# Allegro board HB1A-AAFM.brd (continued)
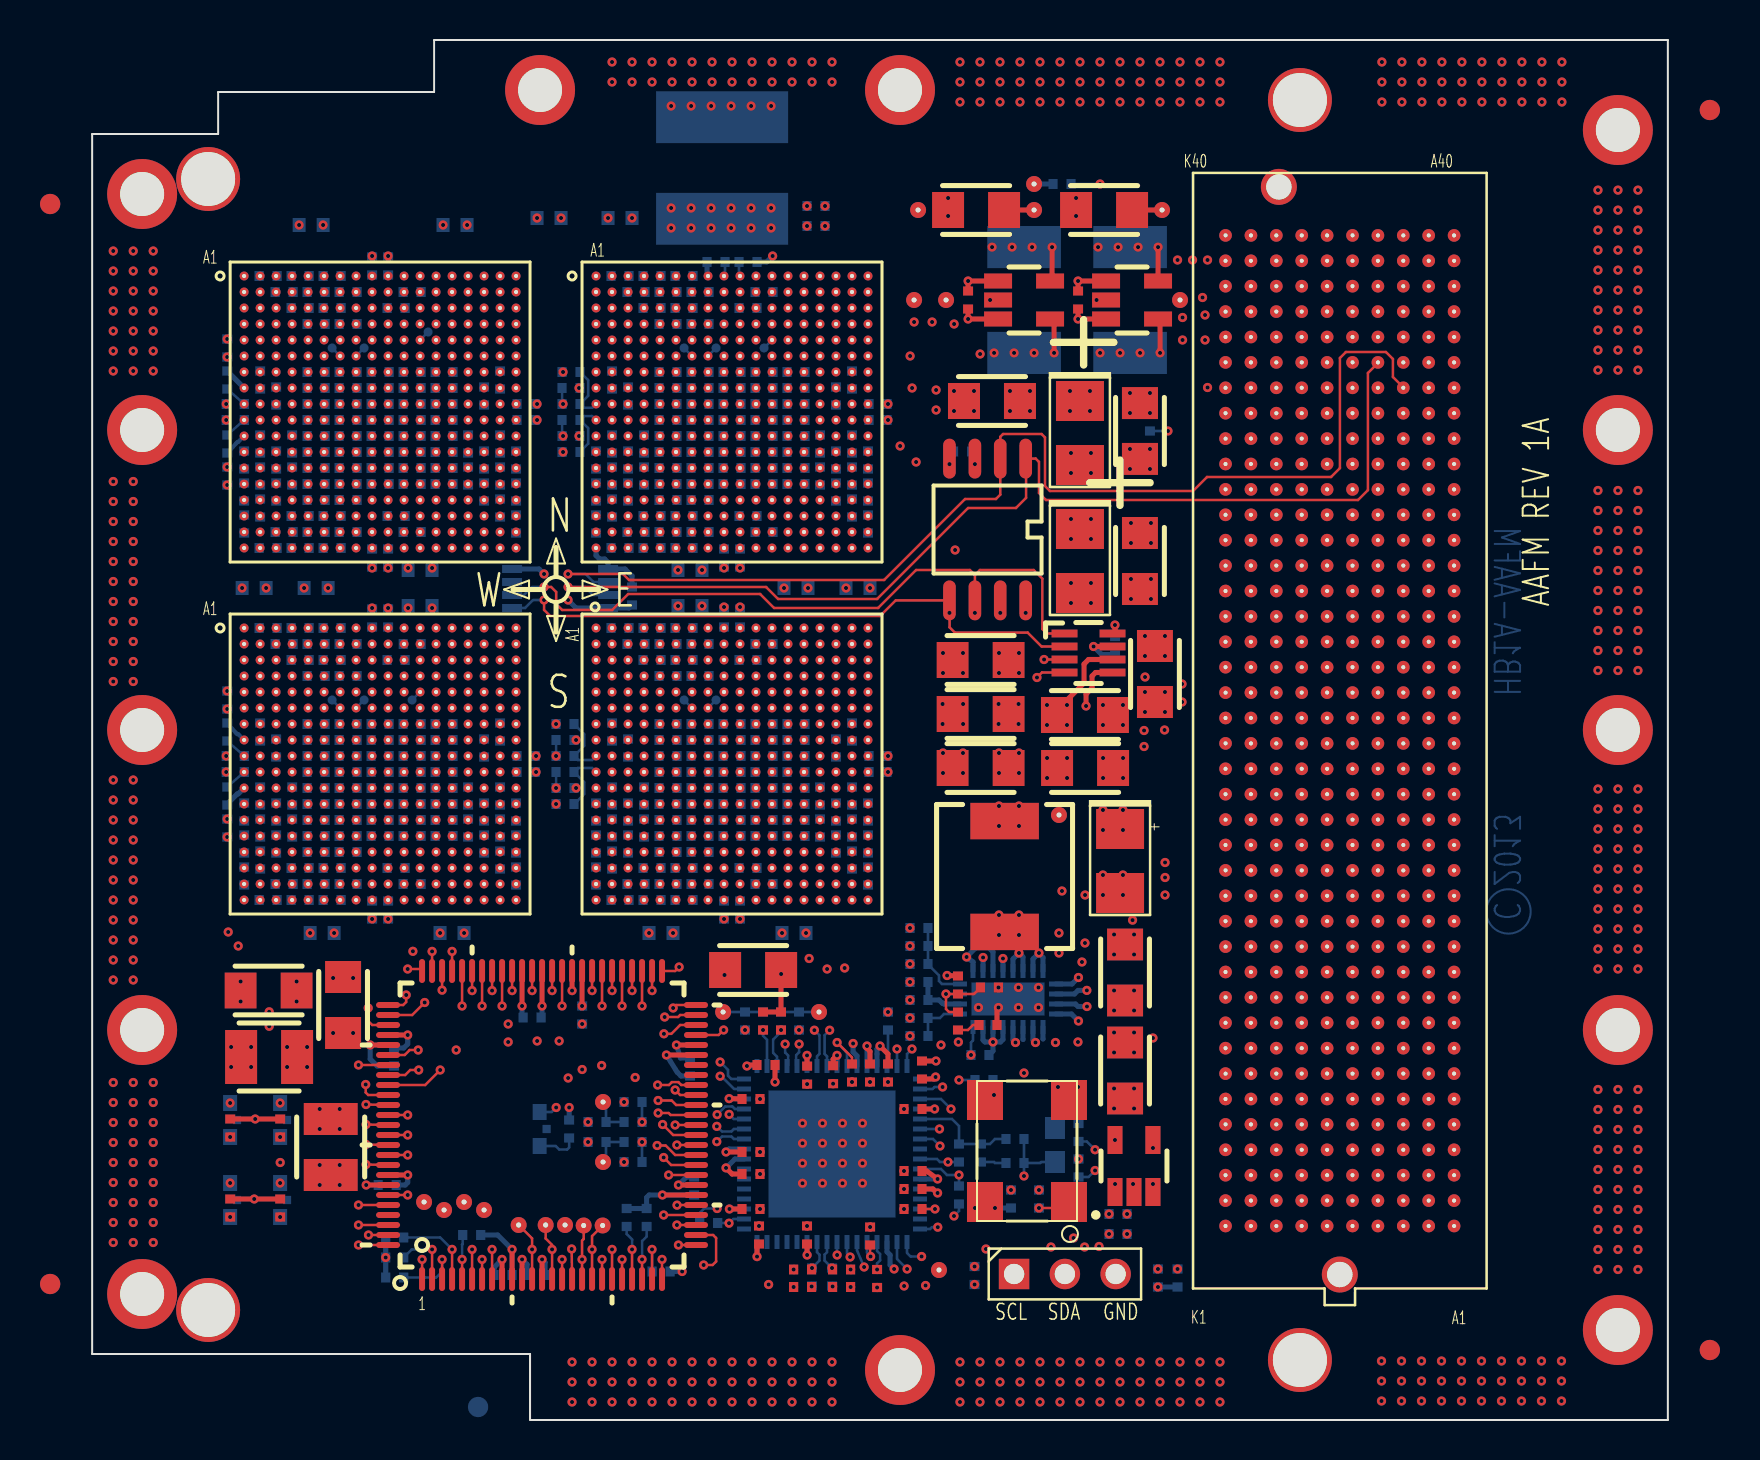
[diagram p0: board, top side]
## Routing (per net, layer and track width the routed paths; a pad name or vN(x,y) marks a point on that pad's centre or on a via; arc(x,y) is an arc through that point) (continued)
  GND_L16 w0.15: 65.18,54.54 P1.C36 ; P1.C36 65.96,54.54 ; P1.C36 65.18,53.76 ; P1.C36 65.96,53.76 ; P1.G38 60.88,57.08 ; P1.G38 60.1,56.3 ; P1.G38 60.1,57.08 ; P1.G38 60.88,56.3 ; U7.G12 16.73,35.12 ; U7.G12 16.73,34.48 ; U7.G12 16.07,34.48 ; U7.G12 16.07,35.12 ; U8.E6 29.52,36.73 ; U8.E6 28.88,36.73 ; U8.E6 28.88,36.08 ; U8.E6 29.52,36.08 ; P1.H27 59.61,43.11 ; P1.H27 59.61,42.33 ; P1.H27 58.83,43.11 ; P1.H27 58.83,42.33 ; 32.08,48.88 U4.L10 ; U4.L10 32.08,49.52 ; U4.L10 32.72,48.88 ; U4.L10 32.72,49.52 ; P1.B39 67.23,58.35 ; P1.B39 67.23,57.57 ; P1.B39 66.45,58.35 ; P1.B39 66.45,57.57 ; 66.45,11.36 P1.B2 ; P1.B2 67.23,10.58 ; P1.B2 67.23,11.36 ; P1.B2 66.45,10.58 ; 38.47,34.33 U8.H18 ; U8.H18 39.12,34.33 ; U8.H18 39.12,33.67 ; U8.H18 38.47,33.67 ; 36.88,45.52 U4.T16 ; U4.T16 37.52,45.52 ; U4.T16 37.52,44.88 ; U4.T16 36.88,44.88 ; U7.L6 11.92,31.93 ; U7.L6 11.92,31.27 ; U7.L6 11.27,31.93 ; U7.L6 11.27,31.27 ; P1.B18 67.23,31.68 ; P1.B18 67.23,30.9 ; P1.B18 66.45,31.68 ; P1.B18 66.45,30.9 ; 31.27,31.12 U8.M9 ; U8.M9 31.92,30.48 ; U8.M9 31.92,31.12 ; U8.M9 31.27,30.48 ; 13.67,49.67 U3.K9 ; U3.K9 13.67,50.33 ; U3.K9 14.32,49.67 ; U3.K9 14.32,50.33 ; 33.67,48.88 U4.L12 ; U4.L12 34.33,49.52 ; U4.L12 34.33,48.88 ; U4.L12 33.67,49.52 ; 62.64,13.12 P1.E4 ; P1.E4 63.42,13.9 ; P1.E4 63.42,13.12 ; P1.E4 62.64,13.9 ; 67.72,43.6 P1.A28 ; P1.A28 68.5,44.38 ; P1.A28 68.5,43.6 ; P1.A28 67.72,44.38 ; 9.67,55.12 U3.D4 ; U3.D4 9.67,54.48 ; U3.D4 10.32,54.48 ; U3.D4 10.32,55.12 ; 66.45,41.84 P1.B26 ; P1.B26 67.23,41.84 ; P1.B26 66.45,41.06 ; P1.B26 67.23,41.06 ; U3.J14 18.32,51.12 ; U3.J14 17.67,51.12 ; U3.J14 18.32,50.48 ; U3.J14 17.67,50.48 ; 16.88,51.92 U3.H13 ; U3.H13 16.88,51.27 ; U3.H13 17.52,51.92 ; U3.H13 17.52,51.27 ; U8.J6 29.52,33.52 ; U8.J6 28.88,33.52 ; U8.J6 29.52,32.88 ; U8.J6 28.88,32.88 ; 32.88,26.32 U8.V11 ; U8.V11 33.52,26.32 ; U8.V11 33.52,25.68 ; U8.V11 32.88,25.68 ; 14.48,50.48 U3.J10 ; U3.J10 15.12,51.12 ; U3.J10 15.12,50.48 ; U3.J10 14.48,51.12 ; P1.J40 58.34,58.84 ; P1.J40 58.34,59.62 ; P1.J40 57.56,59.62 ; P1.J40 57.56,58.84 ; U8.G6 29.52,34.48 ; U8.G6 28.88,34.48 ; U8.G6 28.88,35.12 ; U8.G6 29.52,35.12 ; 18.48,36.88 U7.D15 ; U7.D15 18.48,37.52 ; U7.D15 19.12,36.88 ; U7.D15 19.12,37.52 ; U3.N6 11.92,47.27 ; U3.N6 11.92,47.92 ; U3.N6 11.27,47.92 ; U3.N6 11.27,47.27 ; 16.07,33.52 U7.J12 ; U7.J12 16.73,32.88 ; U7.J12 16.73,33.52 ; U7.J12 16.07,32.88 ; U3.A11 15.92,57.52 ; U3.A11 15.27,56.88 ; U3.A11 15.92,56.88 ; U3.A11 15.27,57.52 ; 30.47,56.88 U4.A8 ; U4.A8 30.47,57.52 ; U4.A8 31.12,56.88 ; U4.A8 31.12,57.52 ; P1.F24 62.15,38.52 ; P1.F24 61.37,39.3 ; P1.F24 61.37,38.52 ; P1.F24 62.15,39.3 ; 19.27,38.33 U7.C16 ; U7.C16 19.92,37.67 ; U7.C16 19.27,37.67 ; U7.C16 19.92,38.33 ; U3.L6 11.92,48.88 ; U3.L6 11.92,49.52 ; U3.L6 11.27,48.88 ; U3.L6 11.27,49.52 ; U8.D15 36.72,37.52 ; U8.D15 36.08,37.52 ; U8.D15 36.08,36.88 ; U8.D15 36.72,36.88 ; 28.07,29.52 U8.P5 ; U8.P5 28.72,29.52 ; U8.P5 28.07,28.88 ; U8.P5 28.72,28.88 ; 28.88,53.52 U4.F6 ; U4.F6 29.52,52.88 ; U4.F6 28.88,52.88 ; U4.F6 29.52,53.52 ; 8.07,27.12 U7.U2 ; U7.U2 8.73,26.48 ; U7.U2 8.73,27.12 ; U7.U2 8.07,26.48 ; U3.K7 12.73,49.67 ; U3.K7 12.07,49.67 ; U3.K7 12.73,50.33 ; U3.K7 12.07,50.33 ; U8.V1 25.52,25.68 ; U8.V1 24.88,25.68 ; U8.V1 24.88,26.32 ; U8.V1 25.52,26.32 ; U4.L8 31.12,48.88 ; U4.L8 31.12,49.52 ; U4.L8 30.47,49.52 ; U4.L8 30.47,48.88 ; U8.B2 26.32,38.48 ; U8.B2 25.67,38.48 ; U8.B2 25.67,39.12 ; U8.B2 26.32,39.12 ; P1.A24 68.5,39.3 ; P1.A24 68.5,38.52 ; P1.A24 67.72,38.52 ; P1.A24 67.72,39.3 ; 58.83,50.73 P1.H33 ; P1.H33 59.61,49.95 ; P1.H33 59.61,50.73 ; P1.H33 58.83,49.95 ; U3.V8 13.52,43.27 ; U3.V8 13.52,43.92 ; U3.V8 12.88,43.27 ; U3.V8 12.88,43.92 ; U4.K7 30.32,49.67 ; U4.K7 29.67,49.67 ; U4.K7 30.32,50.33 ; U4.K7 29.67,50.33 ; P1.K33 57.07,49.95 ; P1.K33 56.29,50.73 ; P1.K33 56.29,49.95 ; P1.K33 57.07,50.73 ; 62.64,45.65 P1.E29 ; P1.E29 63.42,45.65 ; P1.E29 63.42,44.87 ; P1.E29 62.64,44.87 ; U7.F14 18.32,35.27 ; U7.F14 18.32,35.92 ; U7.F14 17.67,35.92 ; U7.F14 17.67,35.27 ; 13.67,33.67 U7.H9 ; U7.H9 13.67,34.33 ; U7.H9 14.32,33.67 ; U7.H9 14.32,34.33 ; P1.C25 65.96,40.57 ; P1.C25 65.18,40.57 ; P1.C25 65.18,39.79 ; P1.C25 65.96,39.79 ; 13.67,48.73 U3.M9 ; U3.M9 13.67,48.08 ; U3.M9 14.32,48.73 ; U3.M9 14.32,48.08 ; U3.R15 19.12,45.67 ; U3.R15 18.48,46.33 ; U3.R15 18.48,45.67 ; U3.R15 19.12,46.33 ; U8.J14 35.92,33.52 ; U8.J14 35.27,33.52 ; U8.J14 35.27,32.88 ; U8.J14 35.92,32.88 ; 35.27,36.08 U8.E14 ; U8.E14 35.92,36.08 ; U8.E14 35.92,36.73 ; U8.E14 35.27,36.73 ; P1.J38 58.34,56.3 ; P1.J38 57.56,56.3 ; P1.J38 58.34,57.08 ; P1.J38 57.56,57.08 ; 12.07,30.48 U7.M7 ; U7.M7 12.07,31.12 ; U7.M7 12.73,31.12 ; U7.M7 12.73,30.48 ; U7.V8 13.52,25.68 ; U7.V8 12.88,26.32 ; U7.V8 12.88,25.68 ; U7.V8 13.52,26.32 ; P1.E14 63.42,26.6 ; P1.E14 63.42,25.82 ; P1.E14 62.64,25.82 ; P1.E14 62.64,26.6 ; 37.67,39.12 U8.B17 ; U8.B17 38.33,39.12 ; U8.B17 37.67,38.48 ; U8.B17 38.33,38.48 ; U8.G12 34.33,35.12 ; U8.G12 33.67,35.12 ; U8.G12 33.67,34.48 ; U8.G12 34.33,34.48 ; 25.67,56.08 U4.B2 ; U4.B2 26.32,56.73 ; U4.B2 26.32,56.08 ; U4.B2 25.67,56.73 ; 65.18,24.06 P1.C12 ; P1.C12 65.96,24.06 ; P1.C12 65.96,23.28 ; P1.C12 65.18,23.28 ; U3.R4 10.32,45.67 ; U3.R4 9.67,45.67 ; U3.R4 10.32,46.33 ; U3.R4 9.67,46.33 ; P1.J1 58.34,9.31 ; P1.J1 58.34,10.09 ; P1.J1 57.56,9.31 ; P1.J1 57.56,10.09 ; 61.37,19.47 P1.F9 ; P1.F9 62.15,19.47 ; P1.F9 62.15,20.25 ; P1.F9 61.37,20.25 ; 35.27,51.12 U4.J14 ; U4.J14 35.92,51.12 ; U4.J14 35.27,50.48 ; U4.J14 35.92,50.48 ; P1.H39 59.61,58.35 ; P1.H39 59.61,57.57 ; P1.H39 58.83,58.35 ; P1.H39 58.83,57.57 ; P1.G17 60.88,30.41 ; P1.G17 60.1,30.41 ; P1.G17 60.88,29.63 ; P1.G17 60.1,29.63 ; 14.48,31.93 U7.L10 ; U7.L10 15.12,31.27 ; U7.L10 14.48,31.27 ; U7.L10 15.12,31.93 ; U7.R4 10.32,28.73 ; U7.R4 9.67,28.73 ; U7.R4 10.32,28.07 ; U7.R4 9.67,28.07 ; P1.A21 68.5,35.49 ; P1.A21 67.72,35.49 ; P1.A21 68.5,34.71 ; P1.A21 67.72,34.71 ; P1.J4 58.34,13.12 ; P1.J4 58.34,13.9 ; P1.J4 57.56,13.9 ; P1.J4 57.56,13.12 ; 66.45,57.08 P1.B38 ; P1.B38 67.23,56.3 ; P1.B38 66.45,56.3 ; P1.B38 67.23,57.08 ; P1.D13 64.69,24.55 ; P1.D13 63.91,24.55 ; P1.D13 64.69,25.33 ; P1.D13 63.91,25.33 ; U7.V11 15.92,25.68 ; U7.V11 15.27,25.68 ; U7.V11 15.92,26.32 ; U7.V11 15.27,26.32 ; 28.07,30.48 U8.M5 ; U8.M5 28.72,31.12 ; U8.M5 28.07,31.12 ; U8.M5 28.72,30.48 ; U3.E6 11.92,53.67 ; U3.E6 11.27,53.67 ; U3.E6 11.27,54.33 ; U3.E6 11.92,54.33 ; U3.G14 18.32,52.73 ; U3.G14 17.67,52.73 ; U3.G14 18.32,52.08 ; U3.G14 17.67,52.08 ; 13.67,31.12 U7.M9 ; U7.M9 14.32,31.12 ; U7.M9 14.32,30.48 ; U7.M9 13.67,30.48 ; U3.B17 20.73,56.08 ; U3.B17 20.73,56.73 ; U3.B17 20.07,56.08 ; U3.B17 20.07,56.73 ; U3.H11 15.92,51.92 ; U3.H11 15.27,51.27 ; U3.H11 15.92,51.27 ; U3.H11 15.27,51.92 ; 35.27,31.93 U8.L14 ; U8.L14 35.92,31.93 ; U8.L14 35.92,31.27 ; U8.L14 35.27,31.27 ; 61.37,15.66 P1.F6 ; P1.F6 62.15,15.66 ; P1.F6 61.37,16.44 ; P1.F6 62.15,16.44 ; U3.L14 18.32,49.52 ; U3.L14 18.32,48.88 ; U3.L14 17.67,49.52 ; U3.L14 17.67,48.88 ; P1.K30 57.07,46.14 ; P1.K30 57.07,46.92 ; P1.K30 56.29,46.92 ; P1.K30 56.29,46.14 ; 36.08,55.12 U4.D15 ; U4.D15 36.08,54.48 ; U4.D15 36.72,55.12 ; U4.D15 36.72,54.48 ; U3.F5 11.12,53.52 ; U3.F5 10.48,52.88 ; U3.F5 11.12,52.88 ; U3.F5 10.48,53.52 ; P1.C24 65.96,39.3 ; P1.C24 65.18,38.52 ; P1.C24 65.96,38.52 ; P1.C24 65.18,39.3 ; U8.J10 32.72,33.52 ; U8.J10 32.72,32.88 ; U8.J10 32.08,32.88 ; U8.J10 32.08,33.52 ; P1.H6 59.61,16.44 ; P1.H6 59.61,15.66 ; P1.H6 58.83,15.66 ; P1.H6 58.83,16.44 ; U7.E14 18.32,36.73 ; U7.E14 17.67,36.08 ; U7.E14 18.32,36.08 ; U7.E14 17.67,36.73 ; U7.G10 15.12,35.12 ; U7.G10 14.48,34.48 ; U7.G10 14.48,35.12 ; U7.G10 15.12,34.48 ; U4.P5 28.72,46.48 ; U4.P5 28.07,46.48 ; U4.P5 28.72,47.12 ; U4.P5 28.07,47.12 ; 15.27,30.48 U7.M11 ; U7.M11 15.92,30.48 ; U7.M11 15.92,31.12 ; U7.M11 15.27,31.12 ; U3.M5 11.12,48.73 ; U3.M5 11.12,48.08 ; U3.M5 10.48,48.08 ; U3.M5 10.48,48.73 ; P1.C29 65.96,44.87 ; P1.C29 65.18,44.87 ; P1.C29 65.18,45.65 ; P1.C29 65.96,45.65 ; U4.L6 29.52,49.52 ; U4.L6 29.52,48.88 ; U4.L6 28.88,49.52 ; U4.L6 28.88,48.88 ; U8.G10 32.72,34.48 ; U8.G10 32.08,34.48 ; U8.G10 32.72,35.12 ; U8.G10 32.08,35.12 ; U4.R15 36.72,46.33 ; U4.R15 36.08,46.33 ; U4.R15 36.72,45.67 ; U4.R15 36.08,45.67 ; U8.R4 27.92,28.73 ; U8.R4 27.27,28.07 ; U8.R4 27.92,28.07 ; U8.R4 27.27,28.73 ; P1.B11 67.23,22.79 ; P1.B11 67.23,22.01 ; P1.B11 66.45,22.79 ; P1.B11 66.45,22.01 ; 60.1,13.12 P1.G4 ; P1.G4 60.1,13.9 ; P1.G4 60.88,13.9 ; P1.G4 60.88,13.12 ; P1.G32 60.88,49.46 ; P1.G32 60.1,49.46 ; P1.G32 60.88,48.68 ; P1.G32 60.1,48.68 ; 20.07,38.48 U7.B17 ; U7.B17 20.73,38.48 ; U7.B17 20.07,39.12 ; U7.B17 20.73,39.12 ; 12.07,33.67 U7.H7 ; U7.H7 12.73,34.33 ; U7.H7 12.07,34.33 ; U7.H7 12.73,33.67 ; 61.37,58.35 P1.F39 ; P1.F39 61.37,57.57 ; P1.F39 62.15,58.35 ; P1.F39 62.15,57.57 ; 7.27,31.27 U7.L1 ; U7.L1 7.27,31.93 ; U7.L1 7.92,31.27 ; U7.L1 7.92,31.93 ; P1.D37 64.69,55.81 ; P1.D37 63.91,55.81 ; P1.D37 63.91,55.03 ; P1.D37 64.69,55.03 ; U7.H13 17.52,34.33 ; U7.H13 16.88,33.67 ; U7.H13 17.52,33.67 ; U7.H13 16.88,34.33 ; U3.L18 21.52,48.88 ; U3.L18 20.88,48.88 ; U3.L18 20.88,49.52 ; U3.L18 21.52,49.52 ; 67.72,19.47 P1.A9 ; P1.A9 67.72,20.25 ; P1.A9 68.5,19.47 ; P1.A9 68.5,20.25 ; U4.G10 32.72,52.08 ; U4.G10 32.72,52.73 ; U4.G10 32.08,52.08 ; U4.G10 32.08,52.73 ; U8.U2 26.32,26.48 ; U8.U2 25.67,26.48 ; U8.U2 26.32,27.12 ; U8.U2 25.67,27.12 ; 11.27,36.73 U7.E6 ; U7.E6 11.27,36.08 ; U7.E6 11.92,36.73 ; U7.E6 11.92,36.08 ; 57.56,49.46 P1.J32 ; P1.J32 57.56,48.68 ; P1.J32 58.34,49.46 ; P1.J32 58.34,48.68 ; U3.T16 19.92,45.52 ; U3.T16 19.27,44.88 ; U3.T16 19.92,44.88 ; U3.T16 19.27,45.52 ; 13.67,29.52 U7.P9 ; U7.P9 14.32,28.88 ; U7.P9 14.32,29.52 ; U7.P9 13.67,28.88 ; U4.H11 33.52,51.92 ; U4.H11 32.88,51.92 ; U4.H11 32.88,51.27 ; U4.H11 33.52,51.27 ; 56.29,58.35 P1.K39 ; P1.K39 57.07,57.57 ; P1.K39 57.07,58.35 ; P1.K39 56.29,57.57 ; 56.29,24.06 P1.K12 ; P1.K12 56.29,23.28 ; P1.K12 57.07,23.28 ; P1.K12 57.07,24.06 ; U4.H1 25.52,51.27 ; U4.H1 24.88,51.92 ; U4.H1 25.52,51.92 ; U4.H1 24.88,51.27 ; P1.A13 68.5,25.33 ; P1.A13 67.72,25.33 ; P1.A13 68.5,24.55 ; P1.A13 67.72,24.55 ; 30.47,39.27 U8.A8 ; U8.A8 30.47,39.92 ; U8.A8 31.12,39.27 ; U8.A8 31.12,39.92 ; U7.K7 12.73,32.73 ; U7.K7 12.07,32.73 ; U7.K7 12.73,32.08 ; U7.K7 12.07,32.08 ; 32.88,30.48 U8.M11 ; U8.M11 32.88,31.12 ; U8.M11 33.52,30.48 ; U8.M11 33.52,31.12 ; U4.K11 33.52,49.67 ; U4.K11 32.88,49.67 ; U4.K11 33.52,50.33 ; U4.K11 32.88,50.33 ; P1.F21 62.15,35.49 ; P1.F21 61.37,34.71 ; P1.F21 61.37,35.49 ; P1.F21 62.15,34.71 ; 67.72,30.41 P1.A17 ; P1.A17 67.72,29.63 ; P1.A17 68.5,30.41 ; P1.A17 68.5,29.63 ; P1.E40 63.42,59.62 ; P1.E40 62.64,58.84 ; P1.E40 62.64,59.62 ; P1.E40 63.42,58.84 ; U4.E5 28.72,54.33 ; U4.E5 28.72,53.67 ; U4.E5 28.07,53.67 ; U4.E5 28.07,54.33 ; 16.88,47.12 U3.P13 ; U3.P13 17.52,47.12 ; U3.P13 17.52,46.48 ; U3.P13 16.88,46.48 ; 34.47,32.08 U8.K13 ; U8.K13 35.12,32.08 ; U8.K13 35.12,32.73 ; U8.K13 34.47,32.73 ; U8.A1 25.52,39.27 ; U8.A1 24.88,39.27 ; U8.A1 25.52,39.92 ; U8.A1 24.88,39.92 ; 10.48,50.33 U3.K5 ; U3.K5 11.12,49.67 ; U3.K5 10.48,49.67 ; U3.K5 11.12,50.33 ; 34.47,53.67 U4.E13 ; U4.E13 35.12,54.33 ; U4.E13 34.47,54.33 ; U4.E13 35.12,53.67 ; P1.F3 62.15,12.63 ; P1.F3 61.37,12.63 ; P1.F3 61.37,11.85 ; P1.F3 62.15,11.85 ; U4.A1 25.52,56.88 ; U4.A1 24.88,57.52 ; U4.A1 24.88,56.88 ; U4.A1 25.52,57.52 ; 61.37,46.92 P1.F30 ; P1.F30 62.15,46.14 ; P1.F30 61.37,46.14 ; P1.F30 62.15,46.92 ; 62.64,37.25 P1.E23 ; P1.E23 63.42,37.25 ; P1.E23 63.42,38.03 ; P1.E23 62.64,38.03 ; P1.F18 62.15,30.9 ; P1.F18 61.37,30.9 ; P1.F18 62.15,31.68 ; P1.F18 61.37,31.68 ; U7.H5 11.12,33.67 ; U7.H5 11.12,34.33 ; U7.H5 10.48,33.67 ; U7.H5 10.48,34.33 ; U3.G10 15.12,52.73 ; U3.G10 15.12,52.08 ; U3.G10 14.48,52.08 ; U3.G10 14.48,52.73 ; 66.45,37.25 P1.B23 ; P1.B23 67.23,38.03 ; P1.B23 66.45,38.03 ; P1.B23 67.23,37.25 ; 30.47,43.92 U4.V8 ; U4.V8 30.47,43.27 ; U4.V8 31.12,43.92 ; U4.V8 31.12,43.27 ; 67.72,49.46 P1.A32 ; P1.A32 68.5,49.46 ; P1.A32 68.5,48.68 ; P1.A32 67.72,48.68 ; U3.A1 7.92,57.52 ; U3.A1 7.92,56.88 ; U3.A1 7.27,57.52 ; U3.A1 7.27,56.88 ; U4.E14 35.92,54.33 ; U4.E14 35.27,53.67 ; U4.E14 35.92,53.67 ; U4.E14 35.27,54.33 ; 65.18,19.47 P1.C9 ; P1.C9 65.96,19.47 ; P1.C9 65.18,20.25 ; P1.C9 65.96,20.25 ; P1.H24 59.61,38.52 ; P1.H24 58.83,38.52 ; P1.H24 58.83,39.3 ; P1.H24 59.61,39.3 ; U8.F6 29.52,35.92 ; U8.F6 28.88,35.27 ; U8.F6 28.88,35.92 ; U8.F6 29.52,35.27 ; 29.67,51.92 U4.H7 ; U4.H7 30.32,51.27 ; U4.H7 30.32,51.92 ; U4.H7 29.67,51.27 ; 11.27,34.48 U7.G6 ; U7.G6 11.27,35.12 ; U7.G6 11.92,34.48 ; U7.G6 11.92,35.12 ; P1.H12 59.61,24.06 ; P1.H12 59.61,23.28 ; P1.H12 58.83,24.06 ; P1.H12 58.83,23.28 ; U3.K11 15.92,50.33 ; U3.K11 15.27,49.67 ; U3.K11 15.92,49.67 ; U3.K11 15.27,50.33 ; U8.V8 31.12,26.32 ; U8.V8 30.47,26.32 ; U8.V8 30.47,25.68 ; U8.V8 31.12,25.68 ; U7.K9 14.32,32.08 ; U7.K9 14.32,32.73 ; U7.K9 13.67,32.08 ; U7.K9 13.67,32.73 ; 33.67,32.88 U8.J12 ; U8.J12 34.33,32.88 ; U8.J12 34.33,33.52 ; U8.J12 33.67,33.52 ; 14.48,29.68 U7.N10 ; U7.N10 15.12,30.32 ; U7.N10 14.48,30.32 ; U7.N10 15.12,29.68 ; U8.K5 28.72,32.08 ; U8.K5 28.07,32.73 ; U8.K5 28.07,32.08 ; U8.K5 28.72,32.73 ; U3.V1 7.92,43.92 ; U3.V1 7.27,43.27 ; U3.V1 7.27,43.92 ; U3.V1 7.92,43.27 ; U3.F6 11.92,53.52 ; U3.F6 11.27,52.88 ; U3.F6 11.92,52.88 ; U3.F6 11.27,53.52 ; 12.07,48.08 U3.M7 ; U3.M7 12.07,48.73 ; U3.M7 12.73,48.73 ; U3.M7 12.73,48.08 ; U7.B2 8.73,39.12 ; U7.B2 8.73,38.48 ; U7.B2 8.07,39.12 ; U7.B2 8.07,38.48 ; 8.07,56.73 U3.B2 ; U3.B2 8.73,56.08 ; U3.B2 8.07,56.08 ; U3.B2 8.73,56.73 ; 28.88,31.27 U8.L6 ; U8.L6 29.52,31.27 ; U8.L6 28.88,31.93 ; U8.L6 29.52,31.93 ; U3.N10 15.12,47.92 ; U3.N10 14.48,47.27 ; U3.N10 14.48,47.92 ; U3.N10 15.12,47.27 ; 28.07,53.52 U4.F5 ; U4.F5 28.72,53.52 ; U4.F5 28.07,52.88 ; U4.F5 28.72,52.88 ; U3.M11 15.92,48.73 ; U3.M11 15.27,48.08 ; U3.M11 15.27,48.73 ; U3.M11 15.92,48.08 ; U3.G8 13.52,52.08 ; U3.G8 12.88,52.08 ; U3.G8 12.88,52.73 ; U3.G8 13.52,52.73 ; P1.B10 67.23,21.52 ; P1.B10 67.23,20.74 ; P1.B10 66.45,20.74 ; P1.B10 66.45,21.52 ; 60.1,10.09 P1.G1 ; P1.G1 60.88,9.31 ; P1.G1 60.1,9.31 ; P1.G1 60.88,10.09 ; P1.B27 67.23,42.33 ; P1.B27 66.45,42.33 ; P1.B27 67.23,43.11 ; P1.B27 66.45,43.11 ; 17.67,31.27 U7.L14 ; U7.L14 18.32,31.93 ; U7.L14 17.67,31.93 ; U7.L14 18.32,31.27 ; 57.56,45.65 P1.J29 ; P1.J29 58.34,44.87 ; P1.J29 57.56,44.87 ; P1.J29 58.34,45.65 ; P1.A37 68.5,55.03 ; P1.A37 67.72,55.81 ; P1.A37 67.72,55.03 ; P1.A37 68.5,55.81 ; 16.88,48.73 U3.M13 ; U3.M13 16.88,48.08 ; U3.M13 17.52,48.08 ; U3.M13 17.52,48.73 ; P1.D25 64.69,39.79 ; P1.D25 63.91,39.79 ; P1.D25 64.69,40.57 ; P1.D25 63.91,40.57 ; P1.C5 65.96,14.39 ; P1.C5 65.18,15.17 ; P1.C5 65.96,15.17 ; P1.C5 65.18,14.39 ; U7.J14 18.32,33.52 ; U7.J14 17.67,33.52 ; U7.J14 17.67,32.88 ; U7.J14 18.32,32.88 ; U4.K13 35.12,49.67 ; U4.K13 35.12,50.33 ; U4.K13 34.47,50.33 ; U4.K13 34.47,49.67 ; 32.88,56.88 U4.A11 ; U4.A11 33.52,56.88 ; U4.A11 33.52,57.52 ; U4.A11 32.88,57.52 ; 10.48,36.73 U7.E5 ; U7.E5 10.48,36.08 ; U7.E5 11.12,36.73 ; U7.E5 11.12,36.08 ; U7.P11 15.92,28.88 ; U7.P11 15.92,29.52 ; U7.P11 15.27,28.88 ; U7.P11 15.27,29.52 ; 63.91,28.36 P1.D16 ; P1.D16 63.91,29.14 ; P1.D16 64.69,29.14 ; P1.D16 64.69,28.36 ; P1.F27 62.15,42.33 ; P1.F27 61.37,42.33 ; P1.F27 62.15,43.11 ; P1.F27 61.37,43.11 ; 60.1,22.79 P1.G11 ; P1.G11 60.88,22.01 ; P1.G11 60.1,22.01 ; P1.G11 60.88,22.79 ; U4.J8 31.12,51.12 ; U4.J8 30.47,50.48 ; U4.J8 30.47,51.12 ; U4.J8 31.12,50.48 ; 29.67,47.12 U4.P7 ; U4.P7 30.32,46.48 ; U4.P7 29.67,46.48 ; U4.P7 30.32,47.12 ; 67.72,24.06 P1.A12 ; P1.A12 68.5,24.06 ; P1.A12 67.72,23.28 ; P1.A12 68.5,23.28 ; U4.L18 39.12,48.88 ; U4.L18 38.47,48.88 ; U4.L18 38.47,49.52 ; U4.L18 39.12,49.52 ; U7.F6 11.92,35.92 ; U7.F6 11.27,35.92 ; U7.F6 11.27,35.27 ; U7.F6 11.92,35.27 ; 17.67,29.68 U7.N14 ; U7.N14 17.67,30.32 ; U7.N14 18.32,29.68 ; U7.N14 18.32,30.32 ; U4.J6 29.52,50.48 ; U4.J6 28.88,51.12 ; U4.J6 28.88,50.48 ; U4.J6 29.52,51.12 ; P1.C13 65.96,24.55 ; P1.C13 65.18,25.33 ; P1.C13 65.96,25.33 ; P1.C13 65.18,24.55 ; 56.29,11.85 P1.K3 ; P1.K3 56.29,12.63 ; P1.K3 57.07,11.85 ; P1.K3 57.07,12.63 ; 35.27,34.48 U8.G14 ; U8.G14 35.92,35.12 ; U8.G14 35.27,35.12 ; U8.G14 35.92,34.48 ; P1.G35 60.88,52.49 ; P1.G35 60.88,53.27 ; P1.G35 60.1,53.27 ; P1.G35 60.1,52.49 ; U8.L18 39.12,31.27 ; U8.L18 38.47,31.93 ; U8.L18 38.47,31.27 ; U8.L18 39.12,31.93 ; 26.48,55.27 U4.C3 ; U4.C3 27.12,55.92 ; U4.C3 26.48,55.92 ; U4.C3 27.12,55.27 ; 29.67,34.33 U8.H7 ; U8.H7 29.67,33.67 ; U8.H7 30.32,33.67 ; U8.H7 30.32,34.33 ; U4.C16 37.52,55.92 ; U4.C16 37.52,55.27 ; U4.C16 36.88,55.92 ; U4.C16 36.88,55.27 ; P1.B15 67.23,27.09 ; P1.B15 66.45,27.87 ; P1.B15 66.45,27.09 ; P1.B15 67.23,27.87 ; 7.27,51.92 U3.H1 ; U3.H1 7.92,51.27 ; U3.H1 7.27,51.27 ; U3.H1 7.92,51.92 ; P1.G5 60.88,14.39 ; P1.G5 60.88,15.17 ; P1.G5 60.1,15.17 ; P1.G5 60.1,14.39 ; U7.C3 9.52,37.67 ; U7.C3 9.52,38.33 ; U7.C3 8.88,37.67 ; U7.C3 8.88,38.33 ; 7.27,48.88 U3.L1 ; U3.L1 7.92,48.88 ; U3.L1 7.92,49.52 ; U3.L1 7.27,49.52 ; P1.G20 60.88,33.44 ; P1.G20 60.1,33.44 ; P1.G20 60.1,34.22 ; P1.G20 60.88,34.22 ; 63.91,15.66 P1.D6 ; P1.D6 64.69,15.66 ; P1.D6 64.69,16.44 ; P1.D6 63.91,16.44 ; 12.07,51.92 U3.H7 ; U3.H7 12.73,51.27 ; U3.H7 12.73,51.92 ; U3.H7 12.07,51.27 ; 35.27,30.32 U8.N14 ; U8.N14 35.92,30.32 ; U8.N14 35.27,29.68 ; U8.N14 35.92,29.68 ; U7.P7 12.73,28.88 ; U7.P7 12.07,29.52 ; U7.P7 12.07,28.88 ; U7.P7 12.73,29.52 ; U8.E5 28.72,36.73 ; U8.E5 28.07,36.08 ; U8.E5 28.07,36.73 ; U8.E5 28.72,36.08 ; P1.F2 62.15,10.58 ; P1.F2 61.37,10.58 ; P1.F2 62.15,11.36 ; P1.F2 61.37,11.36 ; U8.P11 33.52,28.88 ; U8.P11 32.88,29.52 ; U8.P11 33.52,29.52 ; U8.P11 32.88,28.88 ; 12.88,32.88 U7.J8 ; U7.J8 12.88,33.52 ; U7.J8 13.52,33.52 ; U7.J8 13.52,32.88 ; P1.E32 63.42,48.68 ; P1.E32 63.42,49.46 ; P1.E32 62.64,48.68 ; P1.E32 62.64,49.46 ; 26.48,44.88 U4.T3 ; U4.T3 26.48,45.52 ; U4.T3 27.12,44.88 ; U4.T3 27.12,45.52 ; 10.48,35.27 U7.F5 ; U7.F5 10.48,35.92 ; U7.F5 11.12,35.92 ; U7.F5 11.12,35.27 ; 38.47,25.68 U8.V18 ; U8.V18 38.47,26.32 ; U8.V18 39.12,25.68 ; U8.V18 39.12,26.32 ; 11.27,33.52 U7.J6 ; U7.J6 11.92,33.52 ; U7.J6 11.27,32.88 ; U7.J6 11.92,32.88 ; U4.D4 27.92,55.12 ; U4.D4 27.92,54.48 ; U4.D4 27.27,55.12 ; U4.D4 27.27,54.48 ; U3.U17 20.73,44.08 ; U3.U17 20.07,44.08 ; U3.U17 20.73,44.73 ; U3.U17 20.07,44.73 ; 28.88,52.73 U4.G6 ; U4.G6 28.88,52.08 ; U4.G6 29.52,52.73 ; U4.G6 29.52,52.08 ; U3.V18 21.52,43.27 ; U3.V18 21.52,43.92 ; U3.V18 20.88,43.27 ; U3.V18 20.88,43.92 ; P1.B19 67.23,32.95 ; P1.B19 67.23,32.17 ; P1.B19 66.45,32.17 ; P1.B19 66.45,32.95 ; P1.G40 60.88,59.62 ; P1.G40 60.88,58.84 ; P1.G40 60.1,58.84 ; P1.G40 60.1,59.62 ; 33.67,31.27 U8.L12 ; U8.L12 34.33,31.93 ; U8.L12 33.67,31.93 ; U8.L12 34.33,31.27 ; U3.V11 15.92,43.92 ; U3.V11 15.27,43.27 ; U3.V11 15.27,43.92 ; U3.V11 15.92,43.27 ; 66.45,15.66 P1.B6 ; P1.B6 67.23,16.44 ; P1.B6 66.45,16.44 ; P1.B6 67.23,15.66 ; 11.27,52.08 U3.G6 ; U3.G6 11.92,52.08 ; U3.G6 11.92,52.73 ; U3.G6 11.27,52.73 ; 63.91,10.58 P1.D2 ; P1.D2 64.69,11.36 ; P1.D2 64.69,10.58 ; P1.D2 63.91,11.36 ; P1.J23 58.34,37.25 ; P1.J23 57.56,38.03 ; P1.J23 58.34,38.03 ; P1.J23 57.56,37.25 ; P1.K2 57.07,11.36 ; P1.K2 57.07,10.58 ; P1.K2 56.29,11.36 ; P1.K2 56.29,10.58 ; P1.D19 64.69,32.95 ; P1.D19 63.91,32.17 ; P1.D19 64.69,32.17 ; P1.D19 63.91,32.95 ; U3.F14 18.32,53.52 ; U3.F14 17.67,52.88 ; U3.F14 18.32,52.88 ; U3.F14 17.67,53.52 ; 63.91,36.76 P1.D22 ; P1.D22 64.69,35.98 ; P1.D22 64.69,36.76 ; P1.D22 63.91,35.98 ; 15.27,32.73 U7.K11 ; U7.K11 15.92,32.08 ; U7.K11 15.27,32.08 ; U7.K11 15.92,32.73 ; U7.N8 13.52,29.68 ; U7.N8 12.88,30.32 ; U7.N8 12.88,29.68 ; U7.N8 13.52,30.32 ; 58.83,20.25 P1.H9 ; P1.H9 59.61,19.47 ; P1.H9 59.61,20.25 ; P1.H9 58.83,19.47 ; 19.27,55.27 U3.C16 ; U3.C16 19.92,55.27 ; U3.C16 19.92,55.92 ; U3.C16 19.27,55.92 ; U3.F13 17.52,53.52 ; U3.F13 17.52,52.88 ; U3.F13 16.88,52.88 ; U3.F13 16.88,53.52 ; U7.V1 7.92,25.68 ; U7.V1 7.92,26.32 ; U7.V1 7.27,26.32 ; U7.V1 7.27,25.68 ; 58.83,11.85 P1.H3 ; P1.H3 59.61,11.85 ; P1.H3 59.61,12.63 ; P1.H3 58.83,12.63 ; P1.C21 65.96,34.71 ; P1.C21 65.18,35.49 